# Altium PCB ZYNQ_IPMC.PcbDoc (part 1 of 6) (continued)
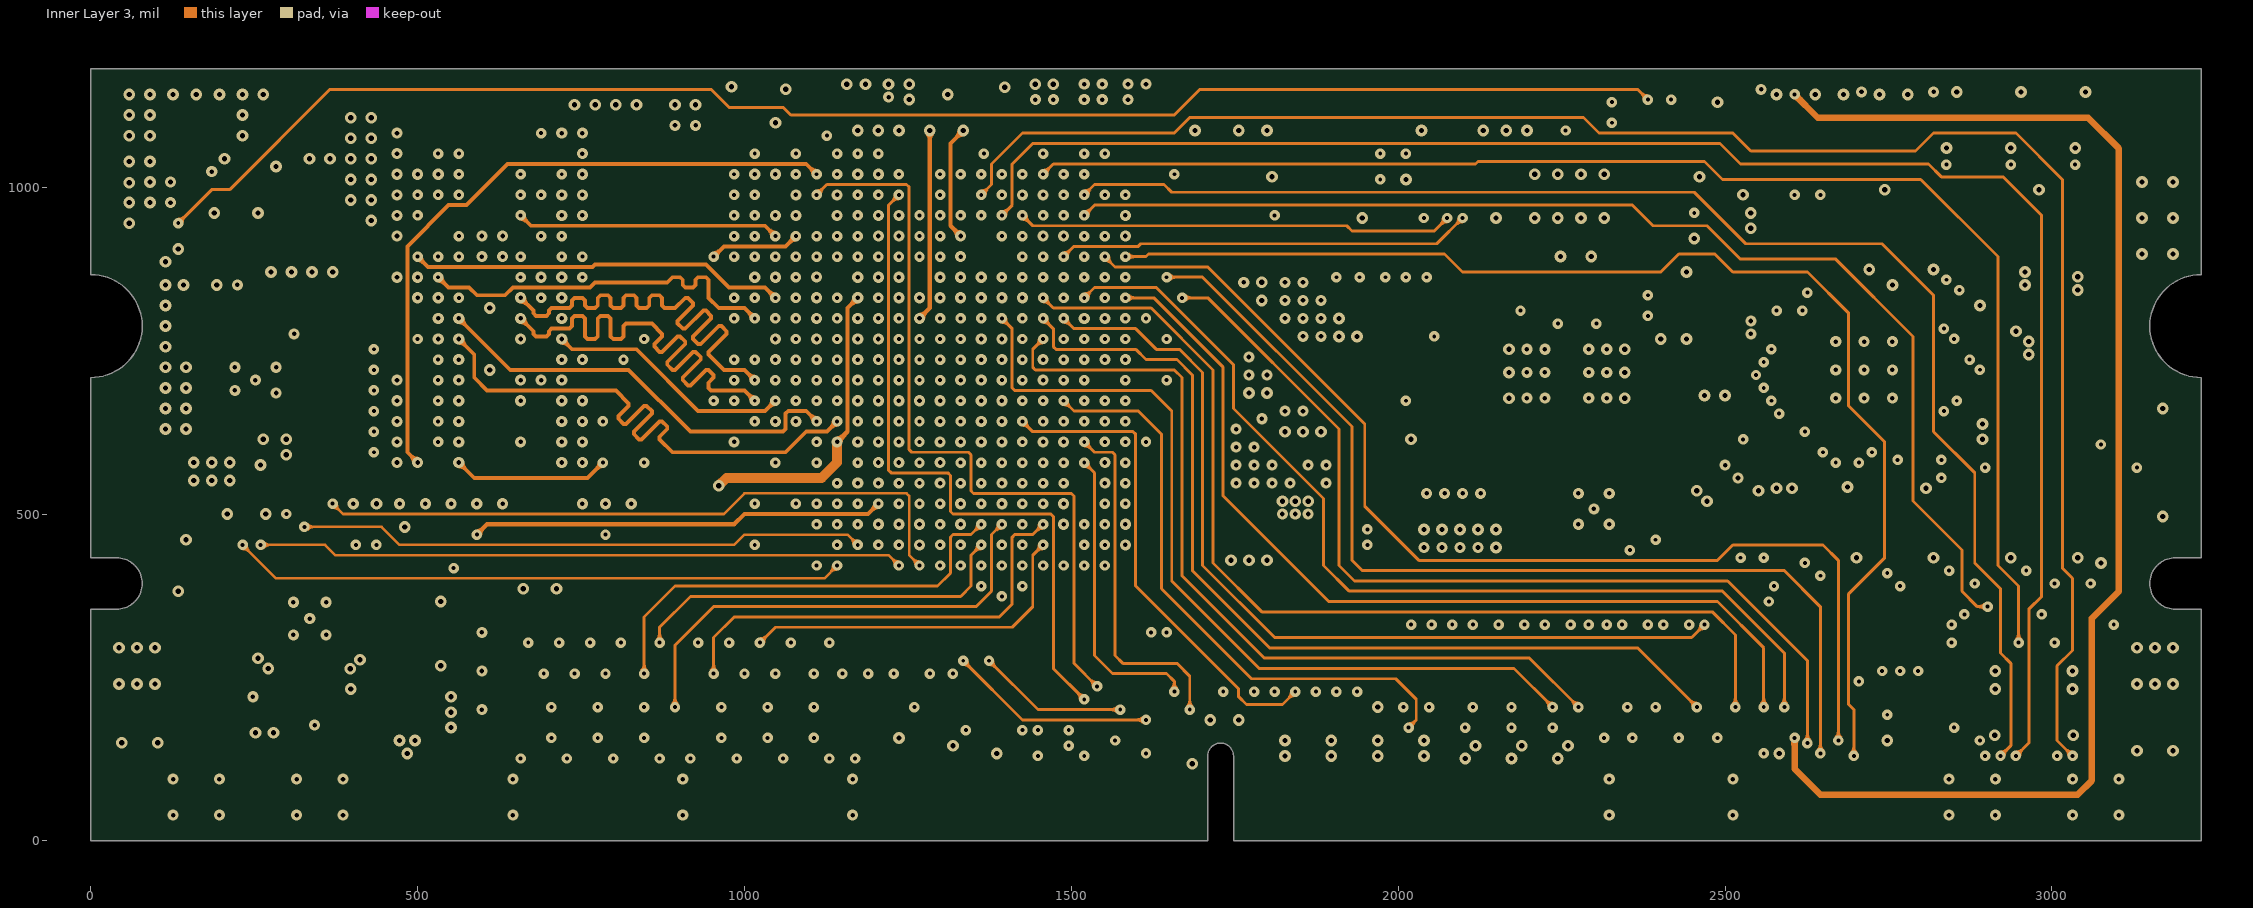
[diagram p7: Inner Layer 3]
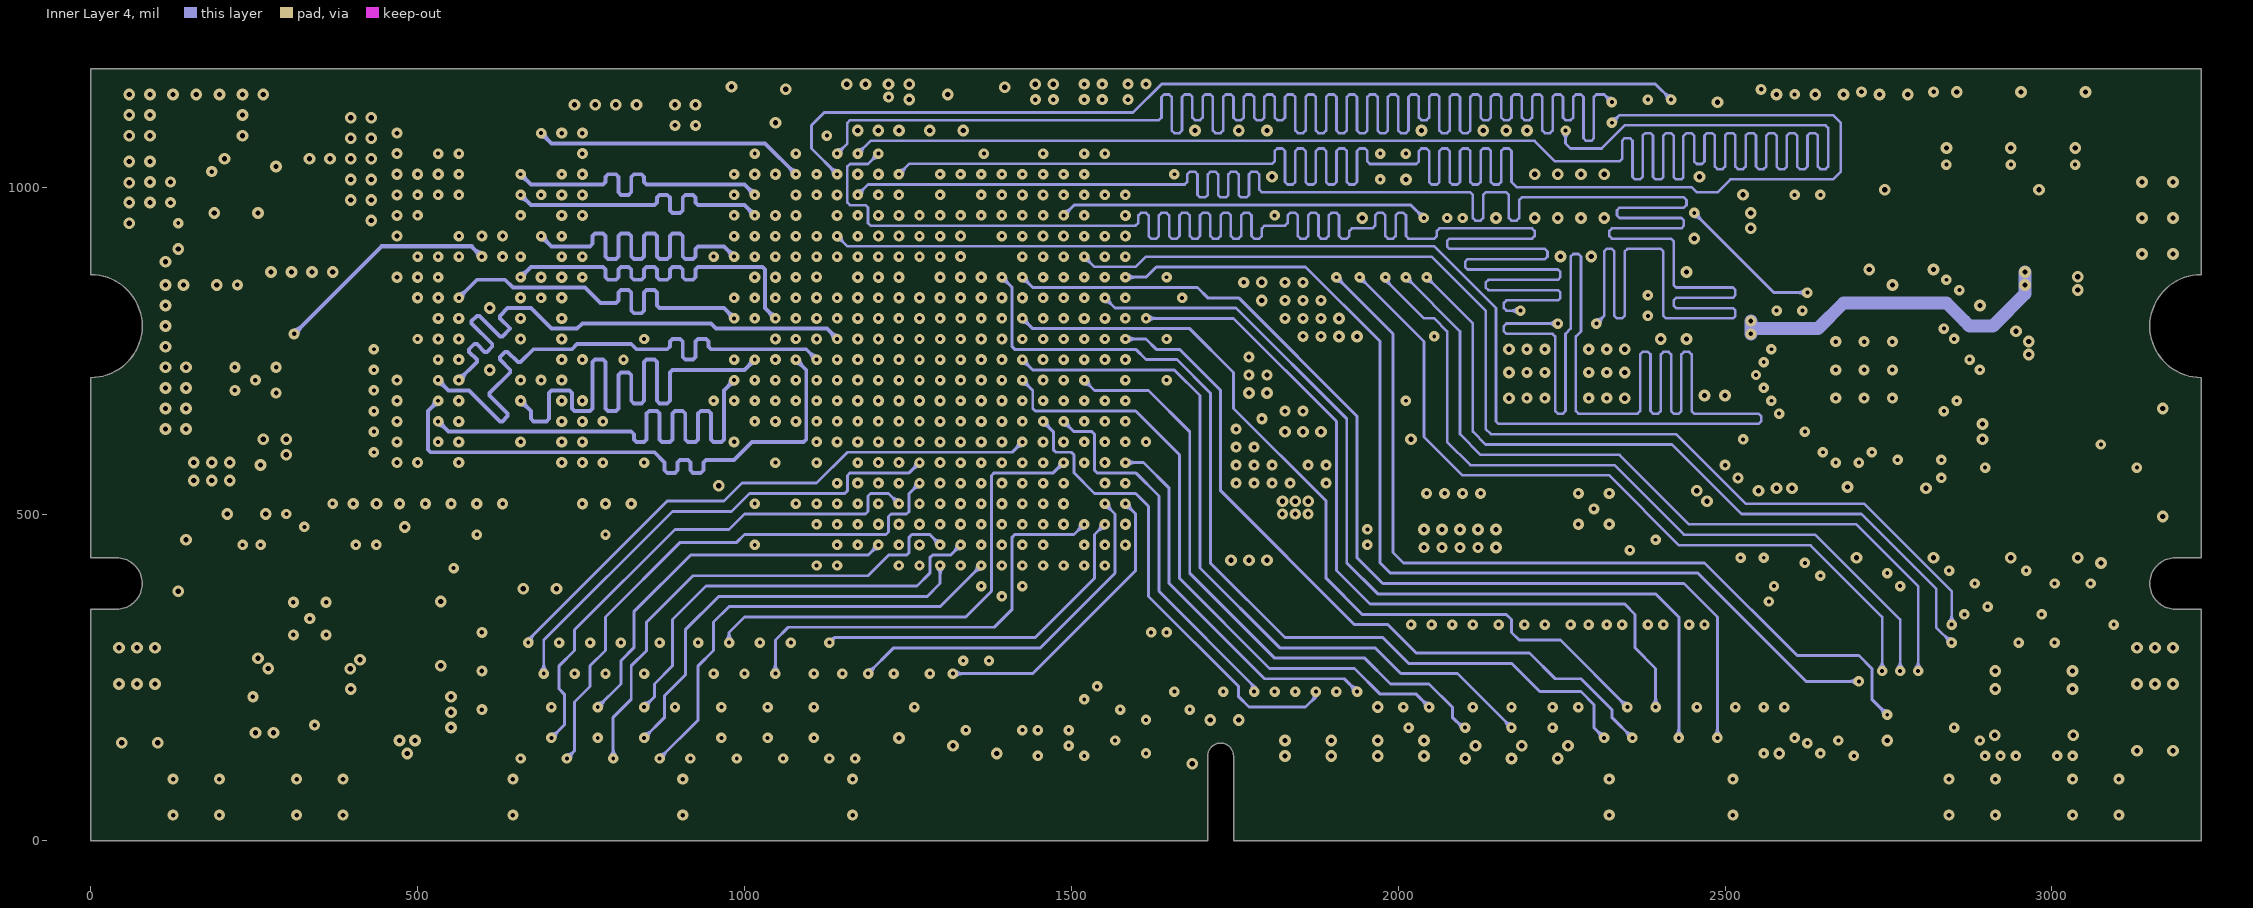
[diagram p8: Inner Layer 4]
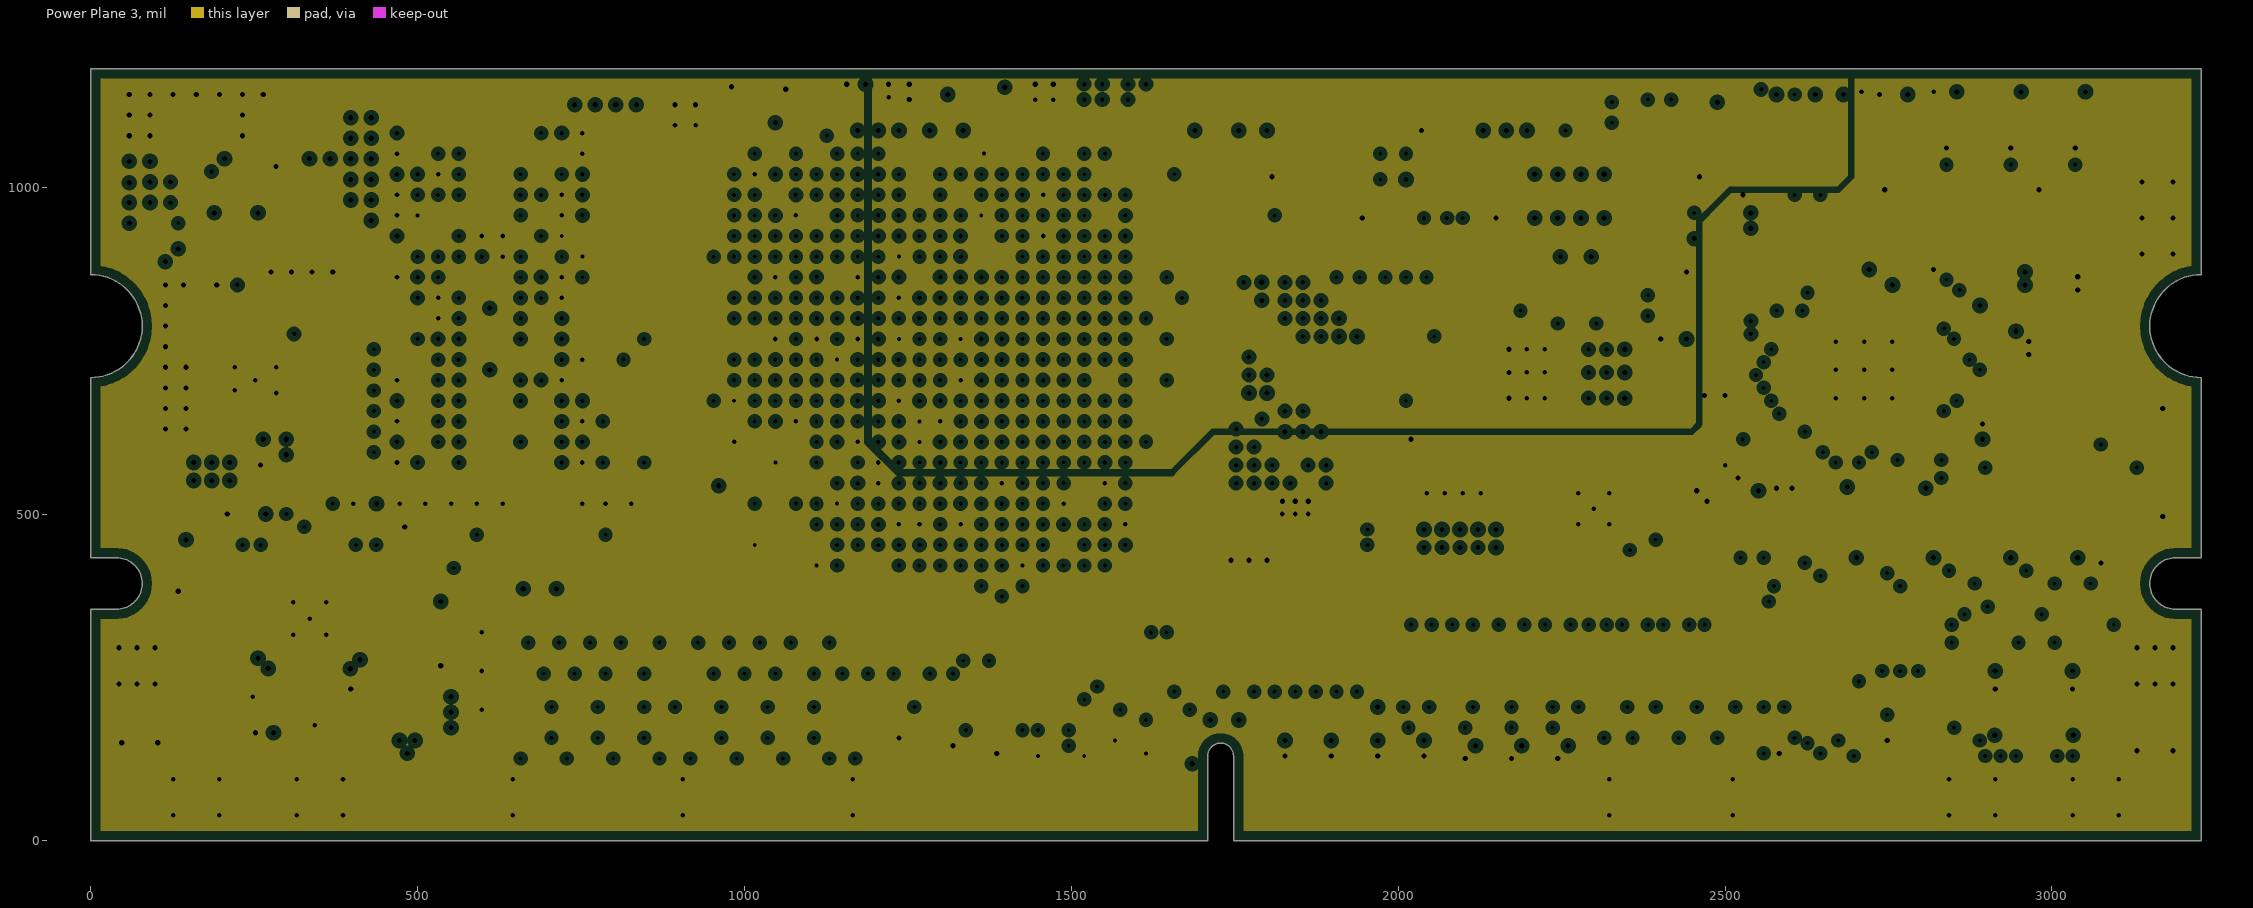
[diagram p9: Power Plane 3, clearances drawn from the general rule]
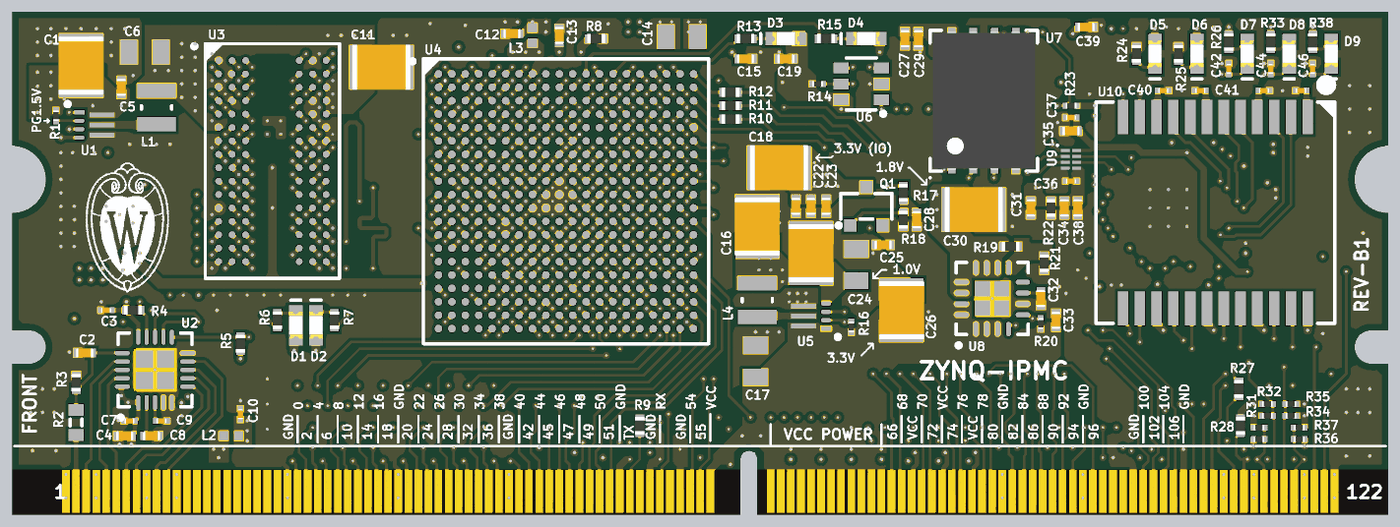
[diagram p15: 3D render of the assembled board from above, using the file's embedded part models]
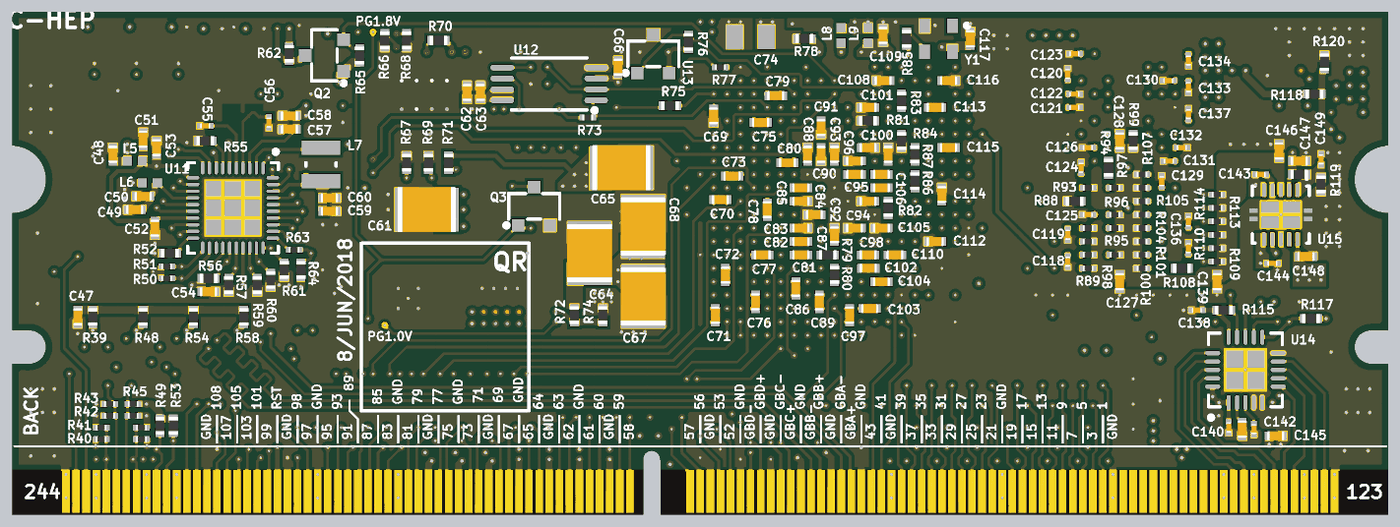
[diagram p16: 3D render of the assembled board from below, using the file's embedded part models]

## Layer stack, top to bottom
Top Solder: solder mask 1, Solder Resist, Dk 4.15
Component Side: signal copper 2.83
Dielectric 1: prepreg 3.59, Dk 3.5
Ground Plane 1 (GND): plane copper 0.7, net GND
Dielectric 2: core 3, FR-4, Dk 3.5
Inner Layer 1: signal copper 0.7
Dielectric 3: prepreg 2.88, Dk 3.5
Inner Layer 2: signal copper 0.7
Dielectric 4: core 3, Dk 3.5
Power Plane 1: plane copper 0.7, net (Multiple Nets)
Dielectric 5: prepreg 3.58, Dk 3.5
Power Plane 2: plane copper 0.7, net (Multiple Nets)
Dielectric 6: core 3, Dk 3.5
Inner Layer 3: signal copper 0.7
Dielectric 7: prepreg 2.88, Dk 3.5
Inner Layer 4: signal copper 0.7
Dielectric 8: core 3, Dk 3.5
Power Plane 3: plane copper 0.7, net (Multiple Nets)
Dielectric 9: prepreg 3.59, Dk 3.5
Solder Side: signal copper 2.83
Bottom Solder: solder mask 1, Solder Resist, Dk 4.15

## Board outline
0,0 1708.66,0 1708.66,129.92 cw(c1728.35,129.92) 1728.35,149.61 cw(c1728.35,129.92) 1748.03,129.92 1748.03,0 3228.35,0 3228.35,314.96 3228.35,354.33 3188.98,354.33 cw(c3188.98,393.7) 3149.61,393.7 cw(c3188.98,393.7) 3188.98,433.07 3228.35,433.07 3228.35,708.66 cw(c3228.35,787.4) 3149.61,787.4 cw(c3228.35,787.4) 3228.35,866.14 3228.35,1181.1 0,1181.1 0,866.14 cw(c0,787.4) 78.74,787.4 cw(c0,787.4) 0,708.66 0,433.07 39.37,433.07 cw(c39.37,393.7) 78.74,393.7 cw(c39.37,393.7) 39.37,354.33 0,354.33 0,0

## Design rules (kind name [scope] priority, off if disabled: settings)
AcuteAngle [All] p1: minimum=6.00000000000000E+0001 checktracksonly=FALSE
BoardOutlineClearance [All] p1: gap=15 ignorepadtopadclearanceinfootprint=FALSE
Clearance Clearance_PolygonsVTTRAM [InPolygon AND InNet('VTTRAM')] p1: gap=6 ignorepadtopadclearanceinfootprint=FALSE
Clearance Clearance_Polygons [InPolygon] p2: gap=7 ignorepadtopadclearanceinfootprint=FALSE
Clearance Clearance_Others [InNetClass('NO_IMPEDANCE')] p3: gap=4 ignorepadtopadclearanceinfootprint=FALSE
Clearance Clearance_Power [InNetClass('POWER_NETS')] p4: gap=4 ignorepadtopadclearanceinfootprint=FALSE
Clearance Clearance_40ohm_inside [InNet('DDR3_*') AND OnMid] p5: gap=4 ignorepadtopadclearanceinfootprint=FALSE except(6: Arc-Arc Arc-Track Arc-SMDPad Arc-THPad Arc-Fill Arc-Poly Arc-Region Arc-Text Arc-Hole Track-Track Track-SMDPad Track-THPad Track-Fill Track-Poly Track-Region Track-Text Track-Hole)
Clearance Clearance_40ohm_outside [InNet('DDR3_*') AND OnOutside] p6: gap=4 ignorepadtopadclearanceinfootprint=FALSE except(6: Arc-SMDPad Arc-THPad Arc-Via Arc-Hole Track-SMDPad Track-THPad Track-Via Track-Hole; 9: Arc-Arc Arc-Track Arc-Fill Arc-Poly Arc-Region Arc-Text Track-Track Track-Fill Track-Poly Track-Region Track-Text)
Clearance Clearance_50ohm_inside [OnMid] p7: gap=4 ignorepadtopadclearanceinfootprint=FALSE
Clearance Clearance_50ohm_outside [OnOutside] p8: gap=4 ignorepadtopadclearanceinfootprint=FALSE except(6: Arc-Arc Arc-Track Arc-SMDPad Arc-THPad Arc-Via Arc-Fill Arc-Poly Arc-Region Arc-Text Arc-Hole Track-Track Track-SMDPad Track-THPad Track-Via Track-Fill Track-Poly Track-Region Track-Text Track-Hole)
ComponentClearance [All] p1: gap=9 collisioncheckmode=3 verticalgap=9 showdistances=FALSE
DiffPairsRouting [All] p1: maxlimit=10 minlimit=10 mostfreqgap=10 toplayer_minwidth=15 toplayer_maxwidth=15 toplayer_prefwidth=15 midlayer1_minwidth=15 midlayer1_maxwidth=15 midlayer1_prefwidth=15 midlayer2_minwidth=15 midlayer2_maxwidth=15 midlayer2_prefwidth=15 midlayer3_minwidth=15 midlayer3_maxwidth=15 midlayer3_prefwidth=15 midlayer4_minwidth=15 midlayer4_maxwidth=15 midlayer4_prefwidth=15 bottomlayer_minwidth=15 bottomlayer_maxwidth=15 bottomlayer_prefwidth=15 maxuncoupledlength=500
FabricationTestPointUsage TestPointUsage [All] p1: valid=0 allowmultiple=FALSE
FabricationTestpoint Testpoint [All] p1: side=3 testpointundercomponent=TRUE minsize=40 maxsize=100 preferedsize=60 minholesize=0 maxholesize=40 preferedholesize=32 testpointgrid=1 allowsidetop=TRUE allowsidebottom=TRUE usegrid=TRUE gridtolerance=0.01
HoleSize [All] p1: absolutevalues=TRUE maxlimit=100 minlimit=6 maxpercent=80.000 minpercent=20.000
MatchedLengths [All] p1: tolerance=50 checknetsindiffpair=TRUE checkdiffpairvsdiffpair=FALSE checkxsignals=FALSE checkothers=FALSE
MinimumSolderMaskSliver [All] p1: minsoldermaskwidth=3
PlaneClearance [All] p1: clearance=8
PlaneConnect [All] p1: planeconnectstyle=Direct reliefexpansion=8 reliefentries=4 reliefconductorwidth=15 reliefairgap=6
PolygonConnect [All] p1: connectstyle=Direct reliefconductorwidth=10 reliefentries=4 polygonreliefangle="90 Angle" airgapwidth=10
RoutingVias RoutingVias_Power [(InNet('+12V_SENSE') OR InNet('VCC1.0') OR InNet('VCC1.5') OR InNet('VCC1.8') OR InNet('VCC2.5') OR InNet('VCC3.3') OR InNet('VCC3.3_IO') OR InNet('VDDH_REG') OR InNet('VREF') OR InNet('VTTRAM') OR InNet('GND'))] p1: holewidth=8 width=18 viastyle="Through Hole" minholewidth=6 minwidth=16 maxholewidth=18 maxwidth=28
RoutingVias [All] p2: holewidth=6 width=16 viastyle="Through Hole" minholewidth=6 minwidth=16 maxholewidth=16 maxwidth=26
SilkToSolderMaskClearance SilkscreenOverComponentPads [IsPad] p1: minsilkscreentomaskgap=10 clearancetoexposedcopper=TRUE
SolderMaskExpansion [All] p1: expansion=2
Width Width_Special [InNetClass('NO_IMPEDANCE')] p1: maxlimit=6 minlimit=4.5 preferedwidth=4.5 toplayer_minwidth=6 toplayer_prefwidth=6 midlayer1_maxwidth=4.5 midlayer2_maxwidth=4.5 midlayer3_maxwidth=4.5 midlayer4_maxwidth=4.5 bottomlayer_minwidth=6 bottomlayer_prefwidth=6 minimp=50.000000 maximp=50.000000 favimp=50.000000
Width Width_Power [InNetClass('POWER_NETS')] p2: maxlimit=50 minlimit=6.4 preferedwidth=20 toplayer_minwidth=7 bottomlayer_minwidth=7 minimp=50.000000 maximp=50.000000 favimp=50.000000
Width Width_40ohm [InNet('DDR3_*')] p3: maxlimit=9.5 minlimit=6 preferedwidth=6 toplayer_minwidth=9.5 toplayer_prefwidth=9.5 midlayer1_maxwidth=6 midlayer2_maxwidth=6 midlayer3_maxwidth=6 midlayer4_maxwidth=6 bottomlayer_minwidth=9.5 bottomlayer_prefwidth=9.5 minimp=50.000000 maximp=50.000000 favimp=50.000000
Width Width_50ohm [All] p4: maxlimit=6.5 minlimit=4 preferedwidth=4 toplayer_minwidth=6.5 toplayer_prefwidth=6.5 midlayer1_maxwidth=4 midlayer2_maxwidth=4 midlayer3_maxwidth=4 midlayer4_maxwidth=4 bottomlayer_minwidth=6.5 bottomlayer_prefwidth=6.5 minimp=50.000000 maximp=50.000000 favimp=50.000000
21 further rules are at their usual default settings.

## Classes and differential pairs
net class QSPI: \QSPI_S QSPI_CLK QSPI_DQ0 QSPI_DQ1 QSPI_DQ2 QSPI_DQ3
net class NETS_40OHM: DDR3_A0 DDR3_A1 DDR3_A2 DDR3_A3 DDR3_A4 DDR3_A5 DDR3_A6 DDR3_A7 DDR3_A8 DDR3_A9 DDR3_A10 DDR3_A11 DDR3_A12 DDR3_A13 DDR3_BA0 DDR3_BA1 DDR3_BA2 DDR3_CAS# DDR3_CKE DDR3_CS# DDR3_DM0 DDR3_DM1 DDR3_DQ0 DDR3_DQ1 DDR3_DQ2 DDR3_DQ3 DDR3_DQ4 DDR3_DQ5 DDR3_DQ6 DDR3_DQ7 DDR3_DQ8 DDR3_DQ9 DDR3_DQ10 DDR3_DQ11 DDR3_DQ12 DDR3_DQ13 DDR3_DQ14 DDR3_DQ15 DDR3_ODT DDR3_RAS# DDR3_RESET# DDR3_WE#
net class ZYNQ_MISC: \SPI_CS0 \SPI_CS1 JTAG_MASTER_TCK JTAG_MASTER_TDI JTAG_MASTER_TDO JTAG_MASTER_TMS JTAG_MASTER_TRST PL_JM_TCK PL_JM_TMS PL_JM_TRST PL_LED_RED PL_LED_YELLOW PS_LED_RED PS_LED_YELLOW SPI_CLK SPI_MISO SPI_MOSI UART_RX UART_TX
net class IPMI: GPIO_42 GPIO_46 GPIO_101 GPIO_105 HA0 HA1 HA2 HA3 HA4 HA5 HA6 HA7 IPMB-A_SCL IPMB-A_SDA IPMB-B_SCL IPMB-B_SDA
net class PHY: GB_A_N GB_A_P GB_B_N GB_B_P GB_C_N GB_C_P GB_D_N GB_D_P LED_10_100 LED_1000 LED_ACT MDC MDIO MDIO_CLK MDIO_DIO PHY_RESET PS_TX_CLK RGMII_RX_CLK RGMII_RX_CTL RGMII_RX_D0 RGMII_RX_D1 RGMII_RX_D2 RGMII_RX_D3 RGMII_TX_CLK RGMII_TX_CTL RGMII_TX_D0 RGMII_TX_D1 RGMII_TX_D2 RGMII_TX_D3 RX_CLK TRX0_N TRX0_P TRX1_N TRX1_P TRX2_N TRX2_P TRX3_N TRX3_P
net class ADC: +12V_SENSE \ADC-A_SPI_CS \ADC-B_SPI_CS ADC-A_IN0 ADC-A_IN1 ADC-A_IN2 ADC-A_IN3 ADC-A_IN4 ADC-A_IN5 ADC-A_IN6 ADC-A_IN7 ADC-A_SPI_CLK ADC-A_SPI_MISO ADC-A_SPI_MOSI ADC-B_IN0 ADC-B_IN1 ADC-B_IN2 ADC-B_IN3 ADC-B_IN4 ADC-B_IN5 ADC-B_IN6 ADC-B_IN7 ADC-B_SPI_CLK ADC-B_SPI_MISO ADC-B_SPI_MOSI
net class DDR_ADDR_CTRL: DDR3_A0 DDR3_A1 DDR3_A2 DDR3_A3 DDR3_A4 DDR3_A5 DDR3_A6 DDR3_A7 DDR3_A8 DDR3_A9 DDR3_A10 DDR3_A11 DDR3_A12 DDR3_A13 DDR3_BA0 DDR3_BA1 DDR3_BA2 DDR3_CAS# DDR3_CKE DDR3_CS# DDR3_ODT DDR3_RAS# DDR3_RESET# DDR3_WE#
net class DDR_BANK0: DDR3_DM0 DDR3_DQ0 DDR3_DQ1 DDR3_DQ2 DDR3_DQ3 DDR3_DQ4 DDR3_DQ5 DDR3_DQ6 DDR3_DQ7 DDR3_DQS0_N DDR3_DQS0_P
net class DDR_BANK1: DDR3_DM1 DDR3_DQ8 DDR3_DQ9 DDR3_DQ10 DDR3_DQ11 DDR3_DQ12 DDR3_DQ13 DDR3_DQ14 DDR3_DQ15 DDR3_DQS1_N DDR3_DQS1_P
net class DDR_CLOCK: DDR3_CK_N DDR3_CK_P
component class ZynqPower: C11 C13 C14 C16 C18 C20 C21 C22 C30 C61 C64 C65 C67 C68 C69 C70 C71 C72 C73 C74 C75 C76 C77 C78 C79 C80 C81 C82 C83 C84 C85 C86 C87 C88 C89 C90 C92 C93 C94 C95 C96 C97 C98 C99 C100 C101 C102 C103 C104 C105 C106 C107 C108 C109 C112 C113 C114 C115 C116 L3 L8 L9 R27 R28 R49 R53 R79 R80 R82 R1001 R1002 R1003 R? R?3 R?4
component class ZynqPeripherals: C19 C27 C29 C62 C63 C66 R14 R71 R73 U6 U7 U12
component class PowerSequence: C1 C5 C6 C12 C17 C23 C24 C25 C26 C28 C31 C32 C33 C34 C38 C39 C150 D5 D6 L1 L4 Q1 Q3 R1 R16 R17 R18 R19 R20 R21 R24 R25 R72 R74 R118 R120 U1 U5 U8
component class ZynqEMIO_2: R10 R11 R12 R75
component class ZynqEMIO: D1 D2 R6 R7 U4
component class ZynqMIO: C15 C91 C117 D3 D4 Q2 R8 R9 R13 R15 R29 R30 R31 R32 R34 R35 R36 R37 R40 R41 R42 R43 R44 R45 R46 R47 R62 R65 R66 R67 R68 R69 R70 R76 R77 R78 R81 R83 R84 R85 R? R?2 U13 Y1
component class AnalogSense: C2 C3 C4 C7 C8 C9 C10 C138 C140 C141 C142 C145 L2 R2 R3 R4 R5 R115 R117 U2 U14
component class Ethernet: C35 C36 C37 C40 C41 C42 C43 C44 C45 C46 C47 C48 C49 C50 C51 C52 C53 C54 C55 C56 C57 C58 C59 C60 D7 D8 D9 L5 L6 L7 R22 R23 R26 R33 R38 R39 R48 R50 R51 R52 R54 R55 R56 R57 R58 R59 R60 R61 R63 R64 U9 U10 U11 X1
component class BoardConnector: J1
component class ZynqDDR: C110 C111 C118 C119 C120 C121 C122 C123 C124 C125 C126 C127 C128 C129 C130 C131 C132 C133 C134 C135 C136 C137 C139 C143 C144 C146 C147 C148 C149 R86 R87 R88 R89 R90 R91 R92 R93 R94 R95 R96 R97 R98 R99 R100 R101 R102 R103 R104 R105 R106 R107 R108 R109 R110 R111 R112 R113 R114 R116 R119 U3 U15
net class JTAG: TDO_0 ZYNQ_JTAG_TCK ZYNQ_JTAG_TDI ZYNQ_JTAG_TDO ZYNQ_JTAG_TMS
net class EEPROM: \SPI_CS0 \SPI_CS1 SPI_CLK SPI_MISO SPI_MOSI
net class NO_IMPEDANCE: \SPI_CS0 \SPI_CS1 GPIO_0 GPIO_1 GPIO_2 GPIO_3 GPIO_4 GPIO_5 GPIO_6 GPIO_7 GPIO_8 GPIO_9 GPIO_10 GPIO_11 GPIO_12 GPIO_13 GPIO_14 GPIO_15 GPIO_16 GPIO_17 GPIO_18 GPIO_19 GPIO_20 GPIO_21 GPIO_22 GPIO_23 GPIO_24 GPIO_25 GPIO_26 GPIO_27 GPIO_28 GPIO_29 GPIO_30 GPIO_31 GPIO_32 GPIO_33 GPIO_34 GPIO_35 GPIO_36 GPIO_37 GPIO_38 GPIO_39 GPIO_40 GPIO_41 GPIO_42 GPIO_43 GPIO_44 GPIO_45 GPIO_46 GPIO_47 GPIO_48 GPIO_49 GPIO_50 GPIO_51 GPIO_52 GPIO_53 GPIO_54 GPIO_55 GPIO_56 GPIO_57 GPIO_58 GPIO_59 GPIO_60 GPIO_61 GPIO_62 GPIO_63 GPIO_64 GPIO_65 GPIO_66 GPIO_67 GPIO_68 GPIO_69 GPIO_70 GPIO_71 GPIO_72 GPIO_73 GPIO_74 GPIO_75 GPIO_76 GPIO_77 GPIO_78 GPIO_79 GPIO_80 GPIO_81 GPIO_82 GPIO_83 GPIO_84 GPIO_85 GPIO_86 GPIO_87 GPIO_88 GPIO_89 GPIO_90 GPIO_91 GPIO_92 GPIO_93 GPIO_94 GPIO_95 GPIO_96 GPIO_97 GPIO_98 GPIO_99 GPIO_100 GPIO_101 GPIO_102 GPIO_103 GPIO_104 GPIO_105 GPIO_106 GPIO_107 GPIO_108 HA0 HA1 HA2 HA3 HA4 HA5 HA6 HA7 MDC MDIO MDIO_CLK MDIO_DIO PGOOD_1.0V PGOOD_1.5V PGOOD_1.8V PHY_RESET PS_POR_B PS_SRST_B PS_UART_TX SPI_CLK SPI_MISO SPI_MOSI UART_RX UART_TX
net class POWER_NETS: +12V_SENSE ADJ_1.8 AVCC3.3 AVDD33 AVDDL DVDDL EN_3.3V_1 EN_3.3V_IO EXT_RST_N FB_1.0 FB_1.5 GND LED_10_100 LED_1000 LED_ACT MCT1 MCT2 MCT3 MCT4 MCT_C PL_LED_RED PL_LED_YELLOW PS_LED_RED PS_LED_YELLOW RGMII_VREF_1.25V SW_1.0 SW_1.5 TCT1 TCT2 TCT3 TCT4 VCC1.0 VCC1.5 VCC1.8 VCC3.3 VCC3.3_IO VCCADC VCCPLL VDDH_REG VDDIO_REG VOSNS VREF VRN VRP VTTRAM
net class BANK13: GPIO_0 GPIO_2 GPIO_4 GPIO_6 GPIO_8 GPIO_10 GPIO_12 GPIO_14 GPIO_16 GPIO_18 GPIO_41 GPIO_43 GPIO_52 GPIO_53 GPIO_54
net class BANK35: GPIO_64 GPIO_65 GPIO_66 GPIO_67 GPIO_68 GPIO_69 GPIO_70 GPIO_71 GPIO_72 GPIO_73 GPIO_74 GPIO_75 GPIO_76 GPIO_77 GPIO_78 GPIO_79 GPIO_80 GPIO_81 GPIO_82 GPIO_83 GPIO_84 GPIO_85 GPIO_86 GPIO_87 GPIO_88 GPIO_89 GPIO_90 GPIO_91 GPIO_92 GPIO_93 GPIO_94 GPIO_95 GPIO_96 GPIO_97 GPIO_98 GPIO_99 GPIO_100 GPIO_101 GPIO_102 GPIO_103 GPIO_104 GPIO_105 GPIO_106 GPIO_107 GPIO_108
net class BANK34: GPIO_1 GPIO_3 GPIO_5 GPIO_7 GPIO_9 GPIO_11 GPIO_13 GPIO_15 GPIO_17 GPIO_19 GPIO_20 GPIO_21 GPIO_22 GPIO_23 GPIO_24 GPIO_25 GPIO_26 GPIO_27 GPIO_28 GPIO_29 GPIO_30 GPIO_31 GPIO_32 GPIO_33 GPIO_34 GPIO_35 GPIO_36 GPIO_37 GPIO_38 GPIO_39 GPIO_40 GPIO_42 GPIO_44 GPIO_45 GPIO_46 GPIO_47 GPIO_48 GPIO_49 GPIO_50 GPIO_51 GPIO_55 GPIO_56 GPIO_57 GPIO_58 GPIO_59 GPIO_60 GPIO_61 GPIO_62 GPIO_63
differential pair DDR3_DQS0: +DDR3_DQS0_P -DDR3_DQS0_N
differential pair DDR3_DQS1: +DDR3_DQS1_P -DDR3_DQS1_N
